# Altium PCB MPPT_Charger.PcbDoc (part 1 of 2) (continued)
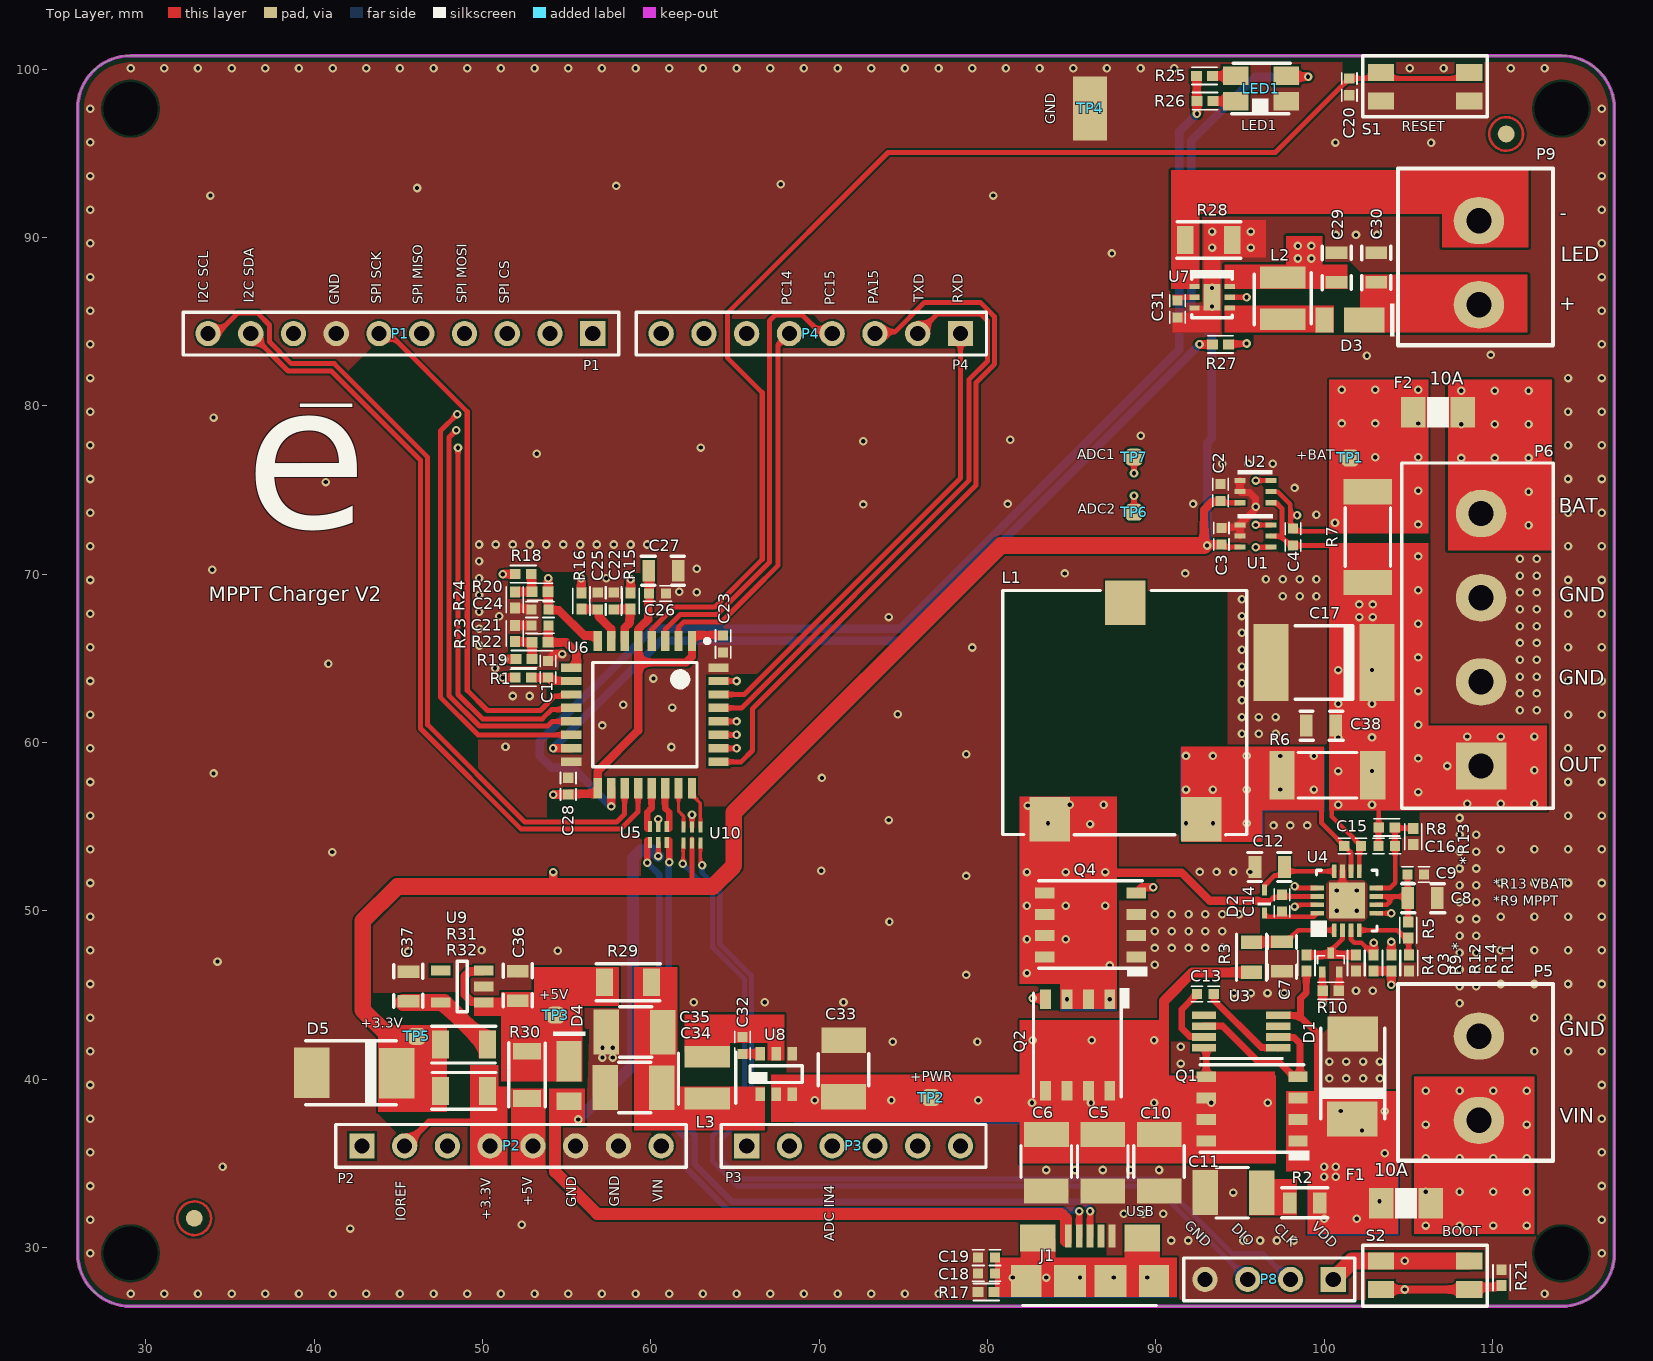
[diagram p0: Top Layer view]
## Classes and differential pairs
component class Power: C32 C33 C34 C35 C36 C37 D4 D5 L3 R29 R30 R31 R32 TP2 TP3 TP4 TP5 U8 U9
component class "LED Driver": C29 C30 C31 D3 L2 P9 R27 R28 U7
component class Controller: C18 C19 C20 C21 C22 C23 C24 C25 C26 C27 C28 J1 LED1 P8 R15 R16 R17 R18 R19 R20 R21 R22 R23 R24 R25 R26 S1 S2 U5 U6 U10
component class Charger: 2 C2 C3 C4 C5 C6 C7 C8 C9 C10 C11 C12 C13 C14 C15 C16 C17 C38 D1 D2 F1 F2 L1 P5 P6 Q1 Q2 Q3 Q4 R2 R3 R4 R5 R6 R7 R8 R9 R10 R11 R12 R13 R14 TP1 TP6 TP7 U1 U2 U3 U4
component class Arduino: C1 P1 P2 P3 P4 R1
differential pair USB_T: +USB_T_P -USB_T_N

## Components (designator, comment, footprint, x,y, rotation, side; value= is the part's Value field where it differs from the comment)
C1 "Capacitor ceramic" C0402 53.9,64.35 r90 top value=100nF
C2 "Capacitor ceramic" C0402 93.85,74.85 r90 top value=100nF
C3 "Capacitor ceramic" C0402 93.9,72.25 r90 top value=100nF
C4 "Capacitor ceramic" C0402 98.15,72.2 r270 top value=100nF
C5 "Capacitor ceramic" C1210 86.85,35.05 r90 top value=22uF
C6 "Capacitor ceramic" C1210 83.5,35.05 r90 top value=22uF
C7 "Capacitor ceramic" C0805 97.5,47.275 r90 top value=4.7uF
C8 "Capacitor ceramic" C0805 105.85,50.75 r180 top value=4.7uF
C9 "Capacitor ceramic" C0402 105.45,52.15 r180 top value=100nF
C10 "Capacitor ceramic" C1210 90.2,35.05 r90 top value=22uF
C11 "Capacitor ceramic" C1210 94.6,33.25 r180 top value=22uF
C12 "Capacitor ceramic" C0805 96.775,52.6 r0 top value=4.7uF
C13 "Capacitor ceramic" C0402 92.95,45.05 r0 top value=100nF
C14 "Capacitor ceramic" C0402 97.5,50.45 r90 top value=100nF
C15 "Capacitor ceramic" C0402 101.7,53.85 r180 top value=100nF
C16 "Capacitor ceramic" C0402 103.725,53.85 r0 top value=22pF
C17 "Capacitor Tantalum" EIA-7343-31 100,64.75 r180 top value=47uF
C18 "Capacitor ceramic" C0402 79.95,28.45 r0 top value=4.7nF
C19 "Capacitor ceramic" C0402 79.95,29.4 r0 top value=33pF
C20 "Capacitor ceramic" C0402 101.5,98.95 r270 top value=100nF
C21 "Capacitor ceramic" C0402 53.425,66.95 r180 top value=100nF
C22 "Capacitor ceramic" C0402 57.8,68.4 r90 top value=100nF
C23 "Capacitor ceramic" C0402 64.3,65.85 r90 top value=100nF
C24 "Capacitor ceramic" C0402 53.425,67.9 r180 top value=100nF
C25 "Capacitor ceramic" C0402 56.85,68.4 r90 top value=100nF
C26 "Capacitor ceramic" C0402 60.4,68.85 r180 top value=100nF
C27 "Capacitor ceramic" C0805 60.75,70.2 r0 top value=4.7uF
C28 "Capacitor ceramic" C0402 55.1,57.4 r90 top value=100nF
C29 "Capacitor ceramic" C0805 100.75,88.225 r90 top value=4.7uF
C30 "Capacitor ceramic" C0805 103.1,88.225 r90 top value=4.7uF
C31 "Capacitor ceramic" C0402 91.3,85.75 r270 top value=220nF
C32 "Capacitor ceramic" C0402 65.45,42 r270 top value=100nF
C33 "Capacitor ceramic" C1210 71.46,40.61 r270 top value=22uF
C34 "Capacitor ceramic" C1210 59,39.5 r0 top value=22uF
C35 "Capacitor ceramic" C1210 59.05,42.8 r0 top value=22uF
C36 "Capacitor ceramic" C0805 52.1,45.525 r270 top value=4.7uF
C37 "Capacitor ceramic" C0805 45.6,45.5 r270 top value=4.7uF
C38 "Capacitor ceramic" C0805 99.825,61 r180 top value=4.7uF
D1 "SM6T30CA" DO-214AA 101.7,40.2 r90 top value=SM6T30CAY
D2 "BAT54KFILM" SOD-523 96.45,50.55 r270 top
D3 "DFLS2100-7" PowerDI123 101.731,85.066 r0 top
D4 "DFLS2100-7" PowerDI123 55.184,40.381 r90 top
D5 "SMLVT3V3" DO-214AA 42.327,40.372 r180 top
F1 "10A, 24V" F1206 104.86,32.63 r180 top value=1206SFH100F/24-2
F2 "10A, 24V" F1206 106.78,79.61 r0 top value=1206SFH100F/24-2
J1 "CON-000116-01" 10118192-0001LF 86.1,28 r0 top value=10118192-0001LF
L1 "Power Inductor" CDEP147 83.694,55.448 r270 top value=6.1uH
L2 "Power Inductor" LQH3NP 97.55,86.35 r270 top value=10uH
L3 "Power Inductor" LQH3NP 63.35,40.05 r270 top value=4.7uH
LED1 "LED_BICOLOR" PLCC-4 96.25,98.85 r90 top value="LSG T67K-JL-1+HK-1"
P1 "DIGITAL 1" HDR1X10 56.556,84.29 r180 top locked value=PRT-11417
P2 "POWER" HDR1X8 42.84,36.03 r0 top locked value=RS1-08-G
P3 "ANALOG IN" HDR1X6 65.7,36.03 r0 top locked value=RS1-06-G
P4 "DIGITAL 2" HDR1X8 78.4,84.29 r180 top locked value=RS1-08-G
P5 "PANEL" TERM2PIN5MM 109.2,37.55 r90 top value=MSG02001
P6 "Battery&Load" TERM4PIN5MM 109.327,58.6 r90 top value=MSG04001
P8 "SWD" HDR1X4 100.55,28.1 r180 top value=SLW-104-01-G-S
P9 "LED" TERM2PIN5MM 109.2,86 r90 top value=MSG02001
Q1 "STL150N3LLH5" "PowerFLAT 5x6" 98.45,36.33 r90 top
Q2 "STL150N3LLH5" "PowerFLAT 5x6" 87.27,44.75 r180 top
Q3 "DMG1012T" SOT-523_custom 100.4,46.925 r0 top value=DMG1012T-7
Q4 "STL150N3LLH5" "PowerFLAT 5x6" 88.85,47.25 r90 top
R1 "Resistor" R0402 52.425,63.85 r0 top value=1K
R2 "Resistor" R0805 98.85,32.65 r0 top value=2R
R3 "Resistor" R0805 95.69,47.24 r90 top value=10R
R4 "Resistor" R0402 98.95,46.9 r270 top value=150K
R5 "Resistor" R0402 105,48.85 r90 top value=100K
R6 "Resistor" R2010 100.2,58.05 r0 top value=R008
R7 "Resistor" R2010 102.6,72.2 r270 top value=R008
R8 "Resistor" R0402 103.725,54.95 r180 top value=560K
R9 "Resistor" R0402 101.9,46.9 r90 top value=11K
R10 "Resistor" R0402 100.4,45.25 r180 top value=10K
R11 "Resistor" R0402 105.05,46.9 r90 top value=100K
R12 "Resistor" R0402 102.95,46.9 r90 top value=100K
R13 "Resistor" R0402 105.3,54.4 r90 top value=110K
R14 "Resistor" R0402 104,46.9 r90 top value=100K
R15 "Resistor" R0402 58.8,68.4 r270 top value=1K
R16 "Resistor" R0402 55.875,68.4 r270 top value=1K
R17 "Resistor" R0402 79.925,27.35 r0 top value=1M
R18 "Resistor" R0402 52.425,70 r180 top value=100K
R19 "Resistor" R0402 52.475,64.95 r0 top value=100K
R20 "Resistor" R0402 53.425,68.95 r0 top value=1K
R21 "Resistor" R0402 110.55,28.2 r270 top value=1K
R22 "Resistor" R0402 53.425,65.95 r0 top value=1K
R23 "Resistor" R0402 51.925,66.475 r90 top value=24.9K
R24 "Resistor" R0402 51.925,68.475 r90 top value=12K
R25 "Resistor" R0402 92.9,99.6 r0 top value=100R
R26 "Resistor" R0402 92.925,98.1 r0 top value=100R
R27 "Resistor" R0402 93.85,83.65 r0 top value=6.8K
R28 "Resistor" R1206 93.15,89.85 r180 top value=R62
R29 "Resistor" R1206 58.65,45.75 r0 top value=0R
R30 "Resistor" R1206 52.65,40.25 r90 top value=0R
R31 "Resistor" R1206 48.9,42.05 r0 top value=0R
R32 "Resistor" R1206 48.9,39.3 r180 top value=0R
S1 "RESET" EVQPUA 106,98.95 r180 top value=EVQPUJ02K
S2 "BOOT" EVQPUA 106,28.35 r0 top value=EVQPUJ02K
TP1 "Test_Point" TEST_POINT 101.55,76.9 r0 top
TP2 "Test_Point" TEST_POINT 76.65,38.9 r180 top
TP3 "Test_Point" TEST_POINT 54.35,43.8 r90 top
TP4 "Test Point" 5019_keystone 86.1,97.67 r90 top value=5019
TP5 "Test_Point" TEST_POINT 46.1,42.54 r90 top
TP6 "Test_Point" TEST_POINT 88.71,73.68 r90 top
TP7 "Test_Point" TEST_POINT 88.71,76.95 r90 top
U1 "NCS213RSQT2G" SOT-363 96.85,72.92 r270 top
U2 "NCS213RSQT2G" SOT-363 96.84,75.56 r270 top
U3 "LM74610QDGKRQ1" TSSOP-8 92.87,41.85 r90 top
U4 "BQ24650" QFN-16_custom 101.35,50.6 r90 top value=BQ24650RVAT
U5 "USBULC6-2M6" Micro_QFN_6L 60.45,54.525 r270 top
U6 "STM32L072KZT6" LQFP32 59.65,61.65 r270 top locked
U7 "TPS61165" QFN-6_custom 93.35,86.45 r0 top value=TPS61165DRVT
U8 "AP63205WU-7" SOT23-6_custom 67.45,40.3 r90 top locked
U9 "STLQ015M33R" SOT23-5L 48.8,45.5 r180 top
U10 "USBULC6-2M6" Micro_QFN_6L 62.45,54.5 r270 top

## Footprints (in the part's own frame and the unit in brackets; to place one, negate y for a bottom-side part, rotate by r counter-clockwise, add the part's x,y. Pads: shape width x height; smd on the part's side, far side on the other; paste and mask are expansions set on the pad)
5019_keystone [mm] "Keystone Test Point 5019"
  rect 3.8x2.03 smd: 1(0,0)
  body extent -1.9,-1.01 1.91,1.02, height 2.29
10118192-0001LF [mm]
  rect 0.4x1.35 smd mask+0.05: 1(-1.3,2.675) 2(-0.65,2.675) 3(0,2.675) 4(0.65,2.675) 5(1.3,2.675)
  rect 1.8x1.9 smd mask+0.05: 6(-3.8,0) 9(3.8,0)
  rect 1.9x1.9 smd mask+0.05: 7(-1.2,0) 8(1.2,0)
  rect 2.1x1.6 smd mask+0.05: 10(3.1,2.55) 11(-3.1,2.55)
  silkscreen extent -3.99,-1.45 3.93,-1.45, body extent -3.99,-2.73 3.93,2.93, height 2.79
C0402 [mm] "Chip Capacitor, 2-Leads, Body 1,0x0,5mm, IPC High Density"
  rect 0.6x0.6 smd: 1(-0.5,0) 2(0.5,0)
  silkscreen extent -0.84,-0.46 0.84,0.46, body extent -0.5,-0.3 0.5,0.3, height 0.2
C0805 [mm] "Chip Capacitor, 2-Leads, Body 2,0x1,3mm, IPC High Density"
  rect 0.75x1.3 smd: 1(-0.875,0) 2(0.875,0)
  silkscreen extent -1.32,-0.86 1.24,0.86, body extent -1.03,-0.69 0.97,0.56, height 0.78
C1210 [mm] "Chip Capacitor, 2-Leads, Body 3.0x2.6mm, IPC Medium Density"
  rect 1.5x2.65 smd: 1(-1.7,0) 2(1.66,-0.01)
  silkscreen extent -0.9,-1.5 1,1.5, body extent -1.6,-1.25 1.6,1.25, height 2.5
CDEP147 [mm]
  rect 2.65x2.4 smd: 1(0,0) 2(0,9) 3(-12.852,4.506)
  silkscreen extent -13.58,-2.79 0.92,11.72, body extent -13.58,-2.78 0.92,11.72, height 8
DO-214AA [mm]
  rect 2.1x3 smd: 1(-2.573,0.022) 2(2.475,0)
  silkscreen extent -2.57,-1.95 2.83,1.9, body extent -2.66,-1.79 2.74,1.81, height 2.3
EIA-7343-31 [mm] "Chip Capacitor, Case D, 2-Leads, Body 7,3x4,3mm, IPC Medium Density"
  rect 2.1x4.55 smd: 1(-3.15,0) 2(3.15,0)
  silkscreen extent -1.7,-2.17 1.7,2.18, body extent -3.65,-2.16 3.65,2.14, height 2.3
EVQPUA [mm] "Light Touch Switches/EVQPU"
  rect 1.55x1 smd: 1(2.625,0.85) 2(2.625,-0.85) 3(-2.625,0.85) 4(-2.625,-0.85)
  silkscreen extent -3.7,-1.86 3.7,1.78, body extent -3.2,-2.76 3.2,1.78, height 1.65
F1206 [mm] "Fuse in 1206 package"
  rect 1.45x1.8 smd: 1(-1.488,0.005) 2(1.462,0.005)
  silkscreen extent -0.67,-0.9 0.65,0.91, body extent -1.73,-0.9 1.67,0.9, height 1.17
HDR1X4 [mm] "Connector; Header; 4 Position"
  rect 1.5x1.5 hole 0.9: 1(0,0)
  round 1.5 hole 0.9: 2(2.54,0) 3(5.08,0) 4(7.62,0)
  silkscreen extent -1.27,-1.27 8.89,1.27, body extent -1.3,-1.3 8.86,1.24, height 4.62
HDR1X6 [mm] "Connector; Header; 6 Position"
  rect 1.5x1.5 hole 0.9: 1(0,0)
  round 1.5 hole 0.9: 2(2.54,0) 3(5.08,0) 4(7.62,0) 5(10.16,0) 6(12.7,0)
  silkscreen extent -1.51,-1.27 14.22,1.27, body extent -1.51,-1.27 14.23,1.27, height 8.6
HDR1X8 [mm] "Connector; Header; 8 Position"
  rect 1.5x1.5 hole 0.9: 1(0,0)
  round 1.5 hole 0.9: 2(2.54,0) 3(5.08,0) 4(7.62,0) 5(10.16,0) 6(12.7,0) 7(15.24,0) 8(17.78,0)
  silkscreen extent -1.55,-1.27 19.27,1.27, body extent -1.55,-1.26 19.27,1.28, height 8.6
HDR1X10 [mm] "Connector; Header; 10 Position"
  rect 1.5x1.5 hole 0.9: 1(0,0)
  round 1.5 hole 0.9: 2(2.54,0) 3(5.08,0) 4(7.62,0) 5(10.16,0) 6(12.7,0) 7(15.24,0) 8(17.78,0) 9(20.32,0) 10(22.86,0)
  silkscreen extent -1.55,-1.27 24.33,1.27, body extent -1.57,-1.29 24.33,1.25, height 8.6
LQFP32 [mm] "LQFP32, 32-Leads, Body 7,00x7,00mm, Pitch 0,80mm, IPC Medium Density"
  rect 1.2x0.5 smd: 1(-4.375,2.8) 2(-4.375,2) 3(-4.375,1.2) 4(-4.375,0.4) 5(-4.375,-0.4) 6(-4.375,-1.2) 7(-4.375,-2) 8(-4.375,-2.8) 17(4.375,-2.8) 18(4.375,-2) 19(4.375,-1.2) 20(4.375,-0.4) 21(4.375,0.4) 22(4.375,1.2) 23(4.375,2) 24(4.375,2.8)
  rect 0.5x1.2 smd: 9(-2.8,-4.375) 10(-2,-4.375) 11(-1.2,-4.375) 12(-0.4,-4.375) 13(0.4,-4.375) 14(1.2,-4.375) 15(2,-4.375) 16(2.8,-4.375) 25(2.8,4.375) 26(2,4.375) 27(1.2,4.375) 28(0.4,4.375) 29(-0.4,4.375) 30(-1.2,4.375) 31(-2,4.375) 32(-2.8,4.375)
  silkscreen extent -4.5,-3.1 3.1,3.83, body extent -4.5,-4.5 4.5,4.5, height 1.63
LQH3NP [mm] "Size Code 3030 (1212) in mm (in inch), 1.5mm max.Thickness. high performance type"
  rect 1.3x2.7 smd: 1(-1.28,0) 2(1.21,0)
  silkscreen extent -1.55,-1.7 1.55,1.7, body extent -1.54,-1.51 1.48,1.49, height 1.4
Micro_QFN_6L [mm] "1.45x1.00"
  rect 0.65x0.25 smd: 1(-0.475,0.5) 2(-0.475,0) 3(-0.475,-0.5) 4(0.475,-0.5) 5(0.475,0) 6(0.475,0.5)
  body extent -0.5,-0.73 0.5,0.72, height 0.55
PLCC-4 [mm]
  rect 1.1x1.5 smd mask+0.05: 1(-0.75,-1.5) 2(-0.75,1.5) 3(0.75,1.5) 4(0.75,-1.5)
  silkscreen extent -1.59,-1.75 1.5,1.75, body extent -1.4,-1.75 1.4,1.75, height 1.95
PowerDI123 [mm]
  rect 1.05x1.5 smd: 1(-1.706,0.034)
  rect 2.4x1.5 smd: 2(0.669,0.034)
  silkscreen extent 2.18,-0.95 2.44,1, body extent -2.14,-0.94 1.73,0.99, height 1
"PowerFLAT 5x6" [mm]
  rect 0.65x1.15 smd: 1(0,0) 2(1.27,0) 3(2.54,0) 4(3.81,0) 5(3.81,5.45) 6(2.54,5.45) 7(1.27,5.45) 8(0,5.45)
  Top Layer region: -0.325,1.375 4.135,1.375 4.135,5.475 -0.325,5.475
  silkscreen extent -1.17,-0.67 4.53,5.8, body extent -0.67,-0.35 4.53,5.8, height 0.95
QFN-6_custom [mm] "QFN, 6-Leads, Body 2,1x2,1mm (max), Pitch 0,65mm, IPC Low Density"
  rect 0.6x0.3 smd: 1(-1.05,0.65) 2(-1.05,0) 3(-1.05,-0.65) 4(1.05,-0.65) 5(1.05,0) 6(1.05,0.65)
  rect 1x1.6 smd: 7(0,0)
  silkscreen extent -1.3,-1.21 1.3,1.63, body extent -1.01,-1 1.01,1, height 0.8
QFN-16_custom [mm] "Plastic Quad Flatpack 16 pins, 0.5 mm pitch"
  rect 0.8x0.28 smd: 1(-1.75,0.75) 2(-1.75,0.25) 3(-1.75,-0.25) 4(-1.75,-0.75) 9(1.75,-0.75) 10(1.75,-0.25) 11(1.75,0.25) 12(1.75,0.75)
  rect 0.28x0.8 smd: 5(-0.75,-1.75) 6(-0.25,-1.75) 7(0.25,-1.75) 8(0.75,-1.75) 13(0.75,1.75) 14(0.25,1.75) 15(-0.25,1.75) 16(-0.75,1.75)
  rect 2.14x2.14 smd: 17(0,0)
  silkscreen extent -2.16,-1.8 1.8,2.15, body extent -1.8,-1.8 1.8,1.8, height 1
R0402 [mm] "Chip resistor 0402"
  rect 0.65x0.6 smd: 1(-0.475,0) 2(0.475,0)
  silkscreen extent -0.76,-0.51 0.76,0.51, body extent -0.5,-0.3 0.5,0.3, height 0.2
R0805 [mm] "Chip Resistor, 2-Leads, Body 2,0x1,3mm, IPC High Density"
  rect 0.8x1.25 smd: 1(-0.9,0) 2(0.9,0)
  silkscreen extent -1.37,-0.89 1.37,0.89, body extent -1.03,-0.62 0.97,0.64, height 0.78
R1206 [mm] "Chip Resistor, 2-Leads, Body 3,2x1,6mm, IPC High Density"
  rect 1x1.65 smd: 1(-1.4,0) 2(1.4,0)
  silkscreen extent -1.9,-1.09 1.91,1.09, body extent -1.63,-0.81 1.57,0.79, height 1
R2010 [mm] "Chip Capacitor, 2-Leads, Body 5.3x2.6mm, IPC Medium Density"
  rect 1.5x2.9 smd: 1(-2.7,0) 2(2.7,0)
  silkscreen extent -1.75,-1.35 1.75,1.35, body extent -2.5,-1.23 2.5,1.27, height 0.47
SOD-523 [mm]
  rect 0.65x0.3 smd: 1(-0.675,0) 2(0.675,0)
  silkscreen extent 0.05,-0.4 0.25,0.4, body extent -0.8,-0.4 0.8,0.4, height 0.7
SOT23-5L [mm] "SOT23, 5-Leads, Body 2,90x2,80mm, Pitch 0,95mm, IPC Medium Density"
  rect 1.15x0.6 smd: 1(-1.275,0.95) 2(-1.275,0) 3(-1.275,-0.95) 4(1.275,-0.95) 5(1.275,0.95)
  silkscreen extent -0.3,-1.5 0.3,1.5, body extent -1.4,-1.45 1.4,1.45, height 1.45
SOT23-6_custom [mm]
  rect 0.8x0.55 smd: 1(-1.2,0.95) 2(-1.2,0) 3(-1.2,-0.95) 4(1.2,-0.95) 5(1.2,0) 6(1.2,0.95)
  silkscreen extent -0.5,-1.55 0.5,1.55, body extent -1.22,-1.48 1.12,1.44, height 1
SOT-363 [mm]
  rect 0.3x0.66 smd: 1(0,-1.84) 2(0.66,-1.84) 3(1.32,-1.84) 4(1.32,0) 5(0.66,0) 6(0,0)
  silkscreen extent -0.64,-1.99 -0.37,0.11, body extent -0.34,-1.99 1.66,0.11, height 0.93
SOT-523_custom [mm]
  rect 0.4x0.65 smd: 1(-0.5,-0.575) 2(0,0.575) 3(0.5,-0.575)
  silkscreen extent -0.79,-0.06 0.81,0.41, body extent -0.79,-0.81 0.81,0.79, height 0.8
TERM2PIN5MM [mm] "Terminal block 2 pins, 5 mm pitch"
  oval 2.8x3 hole 1.5: 1(0,0) 2(5,0)
  silkscreen extent -2.4,-4.4 8.1,4.8, body extent -2.45,-4.3 8.05,4.7, height 13.4
TERM4PIN5MM [mm] "Terminal 4 pins, 5 mm pitch"
  rect 2.8x3 hole 1.5: 1(0,0)
  oval 2.8x3 hole 1.5: 2(5,0) 3(10,0) 4(15,0)
  silkscreen extent -2.5,-4.3 18,4.7, body extent -2.5,-4.3 18,4.7, height 13.4
TEST_POINT [mm] "Rounded Corners Test Point"
  rrect50% 1x1 smd: 0(0,0)
TSSOP-8 [mm] "Plasti Small-Outline Package"
  rect 0.45x1.45 smd: 1(0,-4.4) 2(0.65,-4.4) 3(1.3,-4.4) 4(1.95,-4.4) 5(1.95,0) 6(1.3,0) 7(0.65,0) 8(0,0)
  silkscreen extent -0.73,-4.72 -0.53,0.28, body extent -0.58,-4.72 2.52,0.28, height 1.1

## Part data
C1 C2 C3 C4 C9 C13 C14 C15 C21 C22 C23 C24 C25 C26 C28: library part Cap, Manufacturer="TDK Corporation", Manufacturer Part No.=CGA2B3X7R1V104K050BB, Supplier part number=445-6901-1-ND, Link=https://www.digikey.com/product-detail/en/tdk-corporation/CGA2B3X7R1V104K050BB/445-6901-1-ND/2672919, Part Description="Ceramic Capacitor", Specification="X7R, 35V, 10%", Supplier=DigiKey
C5 C6 C10 C11: library part Cap, Manufacturer="Taiyo Yuden", Manufacturer Part No.=GMK325BJ226MM-P, Supplier part number=587-5853-1-ND, Link=https://www.digikey.com/product-detail/en/taiyo-yuden/GMK325BJ226MM-P/587-5853-1-ND/7674973, Part Description="Ceramic Capacitor", Specification="X5R, 35V, 20%", Supplier=DigiKey
C7 C8 C12 C29 C30 C38: library part Cap, Manufacturer="Murata Electronics", Manufacturer Part No.=GRM219R6YA475KA73D, Supplier part number=490-7208-1-ND, Link=https://www.digikey.com/product-detail/en/murata-electronics/GRM219R6YA475KA73D/490-7208-1-ND/3900454, Part Description="Ceramic Capacitor", Specification="X5R, 35V, 10%", Supplier=DigiKey
C16: library part Cap, Manufacturer=Yageo, Manufacturer Part No.=CC0402JRNPO9BN220, Supplier part number=311-1018-1-ND, Link=https://www.digikey.com/product-detail/en/yageo/CC0402JRNPO9BN220/311-1018-1-ND/302935, Part Description="Ceramic Capacitor", Specification="NPO, 50V, 5%", Supplier=DigiKey
C17: library part "Cap Pol2", Manufacturer="AVX Corporation", Manufacturer Part No.=TAJD476K016RNJ, Supplier part number=478-1739-1-ND, Link=https://www.digikey.com/product-detail/en/avx-corporation/TAJD476K016RNJ/478-1739-1-ND/564771, Part Description="Capacitor Tantalum", Specification="TANT, 16V, 10%", Supplier=DigiKey
C18: library part "Cap Semi", Manufacturer=Yageo, Manufacturer Part No.=AC0402KRX7R9BB472, Supplier part number=311-3030-1-ND, Link=https://www.digikey.com/product-detail/en/yageo/AC0402KRX7R9BB472/311-3030-1-ND/6643281, Part Description="Ceramic Capacitor", Specification="X7R, 50V, 10%", Supplier=DigiKey
C19: library part "Cap Semi", Manufacturer=Yageo, Manufacturer Part No.=CC0402JRNPO9BN330, Supplier part number=311-1020-1-ND, Link=https://www.digikey.com/product-detail/en/yageo/CC0402JRNPO9BN330/311-1020-1-ND/302937, Part Description="Ceramic Capacitor", Specification="NP0, 50V, 5%", Supplier=DigiKey
C20 C32: library part "Cap Semi", Manufacturer="TDK Corporation", Manufacturer Part No.=CGA2B3X7R1V104K050BB, Supplier part number=445-6901-1-ND, Link=https://www.digikey.com/product-detail/en/tdk-corporation/CGA2B3X7R1V104K050BB/445-6901-1-ND/2672919, Part Description="Ceramic Capacitor", Specification="X7R, 35V, 10%", Supplier=DigiKey
C27 C36 C37: library part "Cap Semi", Manufacturer="Murata Electronics", Manufacturer Part No.=GRM219R6YA475KA73D, Supplier part number=490-7208-1-ND, Link=https://www.digikey.com/product-detail/en/murata-electronics/GRM219R6YA475KA73D/490-7208-1-ND/3900454, Part Description="Ceramic Capacitor", Specification="X5R, 35V, 10%", Supplier=DigiKey
C31: library part Cap, Manufacturer=Yageo, Manufacturer Part No.=CC0402KRX5R8BB224, Supplier part number=311-3341-1-ND, Link=https://www.digikey.com/product-detail/en/yageo/CC0402KRX5R8BB224/311-3341-1-ND/6818311, Part Description="Ceramic Capacitor", Specification="X5R, 25V, 10%", Supplier=DigiKey
C33 C34 C35: library part "Cap Semi", Manufacturer="Taiyo Yuden", Manufacturer Part No.=GMK325BJ226MM-P, Supplier part number=587-5853-1-ND, Link=https://www.digikey.com/product-detail/en/taiyo-yuden/GMK325BJ226MM-P/587-5853-1-ND/7674973, Part Description="Ceramic Capacitor", Specification="X5R, 35V, 20%", Supplier=DigiKey
D1: library part ESD_Diode, "ESD Diode Symbol", Manufacturer=STMicroelectronics, Manufacturer Part No.=SM6T30CAY, Supplier part number=497-10800-1-ND, Link=https://www.digikey.com/product-detail/en/stmicroelectronics/SM6T30CAY/497-10800-1-ND/2442951, Part Description="TVS DIODE", Specification="30V, 0.6kW", Supplier=DigiKey
D2: library part "D Schottky", "Schottky Diode", Manufacturer=STMicroelectronics, Supplier part number=497-5561-1-ND, Link=https://www.digikey.com/product-detail/en/stmicroelectronics/BAT54KFILM/497-5561-1-ND/1207053, Manufacturer Part No.=BAT54KFILM, Part Description="Small signal Schottky diode", Specification="40V, 0.3A", Supplier=DigiKey
D3 D4: library part "D Schottky", "Schottky Diode", Manufacturer="Diodes Incorporated", Supplier part number=DFLS2100-7DICT-ND, Link=https://www.digikey.com/product-detail/en/diodes-incorporated/DFLS2100-7/DFLS2100-7DICT-ND/3451552, Manufacturer Part No.=DFLS2100-7, Part Description="DIODE SCHOTTKY", Specification="100V, 2A", Supplier=DigiKey
D5: library part ESD_Diode, "ESD Diode Symbol", Manufacturer=STMicroelectronics, Supplier part number=497-2496-1-ND, Link=https://www.digikey.com/product-detail/en/stmicroelectronics/SMLVT3V3/497-2496-1-ND/603878, Manufacturer Part No.=SMLVT3V3, Part Description="Low voltage Transil™", Specification="3.3V, 0.6kW", Supplier=DigiKey
F1 F2: library part "Fuse 2", "SMD Fuse", Manufacturer=LITTELFUSE, Manufacturer Part No.=1206SFH100F/24-2, Supplier part number=1832124, Link=https://uk.farnell.com/littelfuse/1206sfh100f-24-2/fuse-1206-10a/dp/1832124, Part Description="Fast Acting  Fuse", Specification=100A, Supplier=Farnell
J1: Manufacturer="Amphenol ICC (FCI)", Manufacturer Part No.=10118192-0001LF, Supplier part number=609-4613-1-ND, Link=https://www.digikey.com/product-detail/en/amphenol-icc-fci/10118192-0001LF/609-4613-1-ND/2785378, Part Description="Micro USB Connector", Specification="Type B", Supplier=DigiKey
L1: library part Inductor, "Inductor", Manufacturer="Sumida America Components Inc.", Manufacturer Part No.=CDEP147NP-6R1MC-95, Supplier part number=308-1608-1-ND, Link=https://www.digikey.com/product-detail/en/sumida-america-components-inc/CDEP147NP-6R1MC-95/308-1608-1-ND/3232383, Part Description="Power Inductor", Specification="11A, 20%", Supplier=DigiKey
L2: library part Inductor, "Inductor", Manufacturer="Murata Electronics", Manufacturer Part No.=LQH3NPN100MMEL, Supplier part number=490-15945-1-ND, Link=https://www.digikey.com/product-detail/en/murata-electronics/LQH3NPN100MMEL/490-15945-1-ND/6800610, Part Description="Power Inductor", Specification="0.8A, 20%", Supplier=DigiKey
L3: library part Inductor, "Inductor", Manufacturer="Murata Electronics", Manufacturer Part No.=LQH3NPN4R7MMEL, Supplier part number=490-15954-1-ND, Link=https://www.digikey.com/product-detail/en/murata-electronics/LQH3NPN4R7MMEL/490-15954-1-ND/6800619, Part Description="Power Inductor", Specification="1A, 20%", Supplier=DigiKey
LED1: Manufacturer="OSRAM Opto Semiconductors Inc.", Manufacturer Part No.="LSG T67K-JL-1+HK-1", Supplier part number=475-3435-1-ND, Link=https://www.digikey.com/product-detail/en/osram-opto-semiconductors-inc/LSG-T67K-JL-1-HK-1/475-3435-1-ND/7908051, Part Description="BICOLOR LED RED/GREEN CLEAR", Specification=SMT, Supplier=DigiKey
P1: library part "Header 10", Manufacturer="SparkFun Electronics", Manufacturer Part No.=PRT-11417, Supplier part number=1568-1413-ND, Link=https://www.digikey.com/product-detail/en/sparkfun-electronics/PRT-11417/1568-1413-ND/6161755, Part Description="ARDUINO STACKABLE HEADER KIT - R", Specification="10 pos. 2,54mm", Supplier=DigiKey
P2 P4: library part "Header 8", Manufacturer="ADAM TECH", Manufacturer Part No.=RS1-08-G, Supplier part number=CONN2043, Link=http://www.adam-tech.com/products.php, Part Description="Arduino Connector", Specification="8 pos. 2,54mm", Supplier=Rutronik
P3: library part "Header 6", Manufacturer="ADAM TECH", Manufacturer Part No.=RS1-06-G, Supplier part number=CONN2042, Link=http://www.adam-tech.com/products.php, Part Description="Arduino Connector", Specification="6 pos. 2,54mm", Supplier=Rutronik
P5 P9: library part "Header 2", "Header, 2-Pin", Manufacturer=SAURO, Manufacturer Part No.=MSG02001, Supplier part number=COTERM5720, Link=https://www.sauro.net/products/MSG02001/?product_id=MSG02001, Part Description="Terminal block", Specification="2pos. 5mm,  24A, 300V", Supplier=Rutronik
P6: library part "Header 4", "Header, 4-Pin", Manufacturer=SAURO, Manufacturer Part No.=MSG04001, Supplier part number=COTERM6351, Link=https://www.sauro.net/products/MSG04001/?product_id=MSG04001, Part Description="Terminal block", Specification="4 pos. 5mm,  24A, 300V", Supplier=Rutronik
P8: library part "Header 4", "Header, 4-Pin", Manufacturer="Samtec Inc.", Manufacturer Part No.=SLW-104-01-G-S, Supplier part number=SAM1089-04-ND, Link=https://www.digikey.com/products/en?keywords=SLW-104-01-G-S, Part Description="Receptacle Connector Through Hole", Specification="4 pos. 2.54mm", Supplier=DigiKey
Q1 Q2 Q4: "Power MOSFET N-channel", Manufacturer=STMicroelectronics, Supplier part number=1752112RL, Link=https://uk.farnell.com/stmicroelectronics/stl150n3llh5/mosfet-n-ch-30v-35a-powerflat6x5/dp/1752112RL, Manufacturer Part No.=STL150N3LLH5, Part Description="P-channel Power MOSFET", Specification="30V, 35A", Supplier=Farnell
Q3: library part NMOS-2, "N-Channel Power MOSFET", Manufacturer="Diodes Incorporated", Manufacturer Part No.=DMG1012T-7, Supplier part number=DMG1012T-7DICT-ND, Link=https://www.digikey.com/product-detail/en/diodes-incorporated/DMG1012T-7/DMG1012T-7DICT-ND/2181232, Part Description="N-Channel MOSFET", Specification="20V, 0.63A", Supplier=DigiKey
R1 R15 R16 R20 R21 R22: library part Res2, Manufacturer=Yageo, Manufacturer Part No.=AC0402JR-071KL, Supplier part number=YAG3525CT-ND, Link=https://www.digikey.com/product-detail/en/yageo/AC0402JR-071KL/YAG3525CT-ND/6006374, Part Description="Thick Film Resistor", Specification="5% 0,063W", Supplier=DigiKey
R2: library part Res2, Manufacturer=Yageo, Manufacturer Part No.=RC0805JR-072RL, Supplier part number=311-2.0ARCT-ND, Link=https://www.digikey.com/product-detail/en/yageo/RC0805JR-072RL/311-2-0ARCT-ND/731214, Part Description="Thick Film Resistor", Specification="5% 0.125W", Supplier=DigiKey
R3: library part Res2, Manufacturer=Yageo, Manufacturer Part No.=RC0805JR-07510RL, Supplier part number=311-510ARCT-ND, Link=https://www.digikey.com/product-detail/en/yageo/RC0805JR-07510RL/311-510ARCT-ND/731290, Part Description="Thick Film Resistor", Specification="5% 0.125W", Supplier=DigiKey
R4: library part Res2, Manufacturer=Yageo, Manufacturer Part No.=RC0402JR-07150KL, Supplier part number=311-150KJRCT-ND, Link=https://www.digikey.com/product-detail/en/yageo/RC0402JR-07150KL/311-150KJRCT-ND/729372, Part Description="Thick Film Resistor", Specification="5% 0,063W", Supplier=DigiKey
R5 R11 R12 R14 R18 R19: library part Res2, Manufacturer=Yageo, Manufacturer Part No.=RC0402JR-07100KL, Supplier part number=311-100KJRCT-ND, Link=https://www.digikey.com/product-detail/en/yageo/RC0402JR-07100KL/311-100KJRCT-ND/729363, Part Description="Thick Film Resistor", Specification="5% 0,063W", Supplier=DigiKey
R6 R7: library part Res2, Manufacturer="Rohm Semiconductor", Manufacturer Part No.=PMR50HZPFU8L00, Supplier part number=RHM.008ASCT-ND, Link=https://www.digikey.com/product-detail/en/rohm-semiconductor/PMR50HZPFU8L00/RHM-008ASCT-ND/2094542, Part Description="Thick Film Resistor", Specification="1% 1W", Supplier=DigiKey
R8: library part Res2, Manufacturer=Yageo, Manufacturer Part No.=RC0402JR-07560KL, Supplier part number=311-560KJRCT-ND, Link=https://www.digikey.com/product-detail/en/yageo/RC0402JR-07560KL/311-560KJRCT-ND/729440, Part Description="Thick Film Resistor", Specification="5% 0,063W", Supplier=DigiKey
R9: library part Res2, Manufacturer=Yageo, Manufacturer Part No.=RC0402JR-0711KL, Supplier part number=311-11KJRCT-ND, Link=https://www.digikey.com/product-detail/en/yageo/RC0402JR-0711KL/311-11KJRCT-ND/729367, Part Description="Thick Film Resistor", Specification="5% 0,063W", Supplier=DigiKey
R10: library part Res2, Manufacturer=Yageo, Manufacturer Part No.=RC0100JR-0710KL, Supplier part number=311-10KDHCT-ND, Link=https://www.digikey.com/product-detail/en/yageo/RC0100JR-0710KL/311-10KDHCT-ND/2254412, Part Description="Thick Film Resistor", Specification="5% 0.03W", Supplier=DigiKey
R13: library part Res2, Manufacturer=Yageo, Manufacturer Part No.=RC0402JR-07110KL, Supplier part number=311-110KJRCT-ND, Link=https://www.digikey.com/product-detail/en/yageo/RC0402JR-07110KL/311-110KJRCT-ND/729366, Part Description="Thick Film Resistor", Specification="5% 0,063W", Supplier=DigiKey
R17: library part Res2, Manufacturer=Yageo, Manufacturer Part No.=RC0402FR-071ML, Supplier part number=311-1.00MLRCT-ND, Link=https://www.digikey.com/product-detail/en/yageo/RC0402FR-071ML/311-1-00MLRCT-ND/729462, Part Description="Thick Film Resistor", Specification="1% 0,063W", Supplier=DigiKey
R23: library part Res2, Manufacturer=Yageo, Manufacturer Part No.=RC0402FR-0724K9L, Supplier part number=311-24.9KLRCT-ND, Link=https://www.digikey.com/product-detail/en/yageo/RC0402FR-0724K9L/311-24-9KLRCT-ND/729514, Part Description="Thick Film Resistor", Specification="1% 0,063W", Supplier=DigiKey
R24: library part Res2, Manufacturer=Yageo, Manufacturer Part No.=RC0402JR-0712KL, Supplier part number=311-12KJRCT-ND, Link=https://www.digikey.com/product-detail/en/yageo/RC0402JR-0712KL/311-12KJRCT-ND/729370, Part Description="Thick Film Resistor", Specification="5% 0,063W", Supplier=DigiKey
R25 R26: library part Res2, Manufacturer=Yageo, Manufacturer Part No.=SR0402JR-7W100RL, Supplier part number=YAG6156CT-ND, Link=https://www.digikey.com/product-detail/en/yageo/SR0402JR-7W100RL/YAG6156CT-ND/9696610, Part Description="Thick Film Resistor", Specification="5% 0.125W", Supplier=DigiKey
R27: library part Res2, Manufacturer=Yageo, Manufacturer Part No.=RC0402JR-076K8L, Supplier part number=311-6.8KJRCT-ND, Link=https://www.digikey.com/product-detail/en/yageo/RC0402JR-076K8L/311-6-8KJRCT-ND/729444, Part Description="Thick Film Resistor", Specification="5% 0,063W", Supplier=DigiKey
R28: library part Res2, Manufacturer="Panasonic Electronic Components", Manufacturer Part No.=ERJ-8RQFR62V, Supplier part number=P.62RCT-ND, Link=https://www.digikey.com/product-detail/en/panasonic-electronic-components/ERJ-8RQFR62V/P-62RCT-ND/3982353, Part Description="Thick Film Resistor", Specification="1% 0.25W", Supplier=DigiKey
R29 R30 R31 R32: library part Res2, Manufacturer=Yageo, Manufacturer Part No.=RC1206JR-070RL, Supplier part number=311-0.0ERDKR-ND, Link=https://www.digikey.com/product-detail/en/yageo/RC1206JR-070RL/311-0-0ERDKR-ND/735078, Part Description="Thick Film Resistor", Specification=0.25W, Supplier=DigiKey
S1 S2: library part SW-PB, "Switch", Manufacturer=Panasonic, Manufacturer Part No.=EVQPUJ02K, Supplier part number=P10851SCT-ND, Link=https://www.digikey.com/product-detail/en/panasonic-electronic-components/EVQ-PUJ02K/P10851SCT-ND/286352, Part Description="Tactile Button", Specification="1.6N, Right Angle, 50mA", Supplier=DigiKey
TP1 TP2 TP3 TP5 TP6 TP7: "Test Point"
TP4: library part 5019, "SMD Test Point", Manufacturer="Keystone Electronics", Supplier part number=36-5019CT-ND, Link=https://www.digikey.com/product-detail/en/keystone-electronics/5019/36-5019CT-ND/3907344, Manufacturer Part No.=5019, Part Description="SMT Test Point", Specification=3.81*2.03, Supplier=DigiKey
U1 U2: library part NCS21xR, "Current-Shunt Monitor", Manufacturer="ON Semiconductor", Supplier part number=NCS213RSQT2GOSCT-ND, Link=https://www.digikey.com/product-detail/en/on-semiconductor/NCS213RSQT2G/NCS213RSQT2GOSCT-ND/9169239, Manufacturer Part No.=NCS213RSQT2G, Part Description="Current-Shunt Monitor", Specification="x50, 80uA, 26V", Supplier=DigiKey
U3: library part LM74610-Q1, "Smart Diode Controller", Manufacturer=TI, Supplier part number=296-43067-1-ND, Link=https://www.digikey.com/product-detail/en/texas-instruments/LM74610QDGKRQ1/296-43067-1-ND/5722225, Manufacturer Part No.=LM74610QDGKRQ1, Part Description="Smart Diode Controller", Specification="42V, 30uA", Supplier=DigiKey
U4: "Maximum Power Point Charger", Manufacturer=TI, Manufacturer Part No.=BQ24650RVAR, Supplier part number=296-46287-1-ND, Link=https://www.digikey.com/product-detail/en/texas-instruments/BQ24650RVAR/296-46287-1-ND/7033462, Part Description="Battery Charge Controller", Specification="28V, MPPT", Supplier=DigiKey
U5 U10: "Ultra large bandwidth ESD protection", Manufacturer=STMicroelectronics, Supplier part number=497-7044-1-ND, Link=https://www.digikey.com/product-detail/en/stmicroelectronics/USBULC6-2M6/497-7044-1-ND/1880382, Manufacturer Part No.=USBULC6-2M6, Part Description="Ultra large bandwidth ESD protection", Specification="6V, 0.6pF", Supplier=DigiKey
U6: "Ultra-low-power 32-bit MCU Arm®-based Cortex®-M0+", Manufacturer=STMicroelectronics, Supplier part number=497-19668-ND, Link=https://www.digikey.com/products/en?keywords=STM32L072KZT6, Manufacturer Part No.=STM32L072KZT6, Part Description="Ultra-low-power 32-bit MCU Arm®-based Cortex®-M0+", Specification="192KB, 20KB, 1.65V-3.6V", Supplier=DigiKey
U7: "HBLED Driver", Manufacturer=TI, Manufacturer Part No.=TPS61165DRVT, Supplier part number=296-27015-1-ND, Link=https://www.digikey.com/product-detail/en/texas-instruments/TPS61165DRVT/296-27015-1-ND/2255302, Part Description="Boost LED DRiver", Specification="18V in, 38V, 350mA", Supplier=DigiKey
U8: "SYNCHRONOUS BUCK WITH ENHANCED EMI REDUCTION", Manufacturer="Diodes Incorporated", Supplier part number=AP63205WU-7DICT-ND, Link=https://www.digikey.com/product-detail/en/diodes-incorporated/AP63205WU-7/AP63205WU-7DICT-ND/9858428, Manufacturer Part No.=AP63205WU-7, Part Description="Buck Switching Regulator", Specification="32V in, 5V, 2A", Supplier=DigiKey
U9: "Ultra low quiescent current linear voltage regulator", Manufacturer=STMicroelectronics, Supplier part number=497-15934-1-ND, Link=https://www.digikey.com/product-detail/en/stmicroelectronics/STLQ015M33R/497-15934-1-ND/5398723, Manufacturer Part No.=STLQ015M33R, Part Description="Linear Voltage Regulator", Specification="5.5V in, 3.3V, 150mA", Supplier=DigiKey

## Free pads (board coordinates)
  round 0 hole 3.2 unplated: ""(29.1,29.65) ""(29.1,97.65) ""(114.1,97.65) ""(114.1,29.65)
  round 1 smd paste-1 mask+0.4: ""(32.88,31.73) ""(110.82,96.15)

## Via types
v1: diameter 0.508, hole 0.254, Top Layer to Bottom Layer, tented both sides, 566 vias

## Nets (pads, with @x,y where several pads share a name; then routed paths per layer and width w, separated by ;. In a path a pad name is that pad's centre, name@x,y a point inside that pad or via, vN(x,y) a via of type N, cw(c..) or ccw(c..) an arc to the next point about the centre after c; other vN are vias at no path point)
5V_USB: D4.1 J1.1 U5.5 | length 56.9
  Top Layer w0.3: v1(60.45,53.25) U5.5@60.45,54.05
  Top Layer w0.7: 54.313,38.8 54.313,34.487 56.81,31.99 84.39,31.99 84.67,31.71 J1.1@84.67,30.36
  Top Layer w1: D4.1@54.9,38.65 54.925,38.675 D4.1@55.15,38.675
  Bottom Layer w0.7: v1(55.7,37.6) 58.95,40.85 58.95,53.15 59.381,53.581 60.119,53.581 v1(60.45,53.25)
+3.3V: C2.1 C3.1 C23.2 C26.2 C27.1 C28.1 D5.1 LED1.4 P8.1 R12.1 R14.1 R31.1 R32.2 S2.1 S2.3 TP5.0 U1.3 U2.3 U6.1 U6.5 U6.17 U10.5 | length 204.2
  Top Layer w0.3: U10.5@62.45,54.25 U10.5@62.45,54.025 62.45,51.5 62.5,51.45 ; C2.1@93.85,74.35 93.96,74.24 U2.3@95,74.24 ; C3.1@93.9,71.75 94.05,71.6 U1.3@95.01,71.6
  Top Layer w0.5: 54.15,51.45 54.198,51.498 54.198,52.298 v1(54.2,52.3) ; v1(54.2,56.9) C28.1@55.1,56.9 55.15,56.95 56.85,56.95 U6.17@56.85,57.275 56.85,58.3 59.25,60.7 59.25,64.75 ; C27.1@59.95,69.9 59.925,69.875 59.925,68.375 59.85,68.3 59.85,67.3 59.25,66.7 U6.5@59.25,66.025 59.25,64.75 ; C23.2@64.225,66.375 62.52,66.375 62.45,66.305 U6.1@62.45,66.025 62.45,65.1 62.1,64.75 59.25,64.75 ; v1@92.87,71.7 92.87,73.82 93.35,74.3 93.8,74.3 C2.1@93.85,74.35 ; 93.3,71.75 C3.1@93.9,71.75 ; LED1.4@97.75,99.6 97.798,99.552 99.048,99.552 v1(99.05,99.55) ; R12.1@102.95,46.425 R14.1@104,46.425 v1(104,45.6)
  Top Layer w1: D5.1@44.9,40.35 44.35,40.9 44.35,42.65 42.886,44.114 42.886,49.386 44.95,51.45 54.15,51.45 62.5,51.45 63.71,51.45 64.93,52.67 64.93,55.83 80.8,71.7 v1@92.87,71.7 ; P8.1@100.55,28.1 101.65,29.2 S2.3@103.375,29.2 v1(104.8,29.2) S2.1@108.625,29.2
  Mid-Layer 1 w0.5: v1(54.2,52.3) v1(54.2,56.9) ; v1(93.05,71.7) 99.35,65.4 103.24,65.4 104.8,63.84 104.8,45.65 ; v1(104,45.6) v1(104,45.6) 104.752,45.602 104.8,45.65 ; v1(104.8,29.2) 104.8,45.65
  Bottom Layer w0.5: v1(93.05,71.7) 93.05,77.801 93.32,78.071 93.32,84.17 92.1,85.39 92.1,95.72 95.93,99.55 v1(99.05,99.55)
+3.3V_AUX: P2.2 P2.4 R32.1 | length 7.1
  Top Layer w0.4: P2.2@45.38,36.03 46.81,37.46 50.43,37.46 50.46,37.43 P2.4@50.46,36.03
+5V: C36.2 D4.2 R29.1 R30.2 TP3.0 U9.1 U9.3 | length 3.7
  Top Layer w0.5: U9.1@50.075,44.55 50.025,44.6 49.35,44.6 48.936,45.014 48.936,46.107 49.229,46.4 50.025,46.4 U9.3@50.075,46.45
+5V_AUX: P2.5 R30.1
ADC1: R15.1 TP7.0 U2.6 | length 42.7
  Top Layer w0.3: v1(88.71,76) TP7.0@88.71,76.95 ; v1(95.95,75.56) U2.6@96.84,75.56
  Top Layer w0.5: R15.1@58.8,68.875 v1(58.8,69.7)
  Mid-Layer 1 w0.3: v1(58.8,69.7) 64.66,75.56 88.71,75.56 ; v1(88.71,76) 88.71,75.56 ; v1(95.95,75.56) 88.71,75.56
ADC2: R16.1 TP6.0 U1.6 | length 47.1
  Top Layer w0.3: TP6.0@88.71,73.68 v1(88.71,74.65) ; v1(95.95,72.92) U1.6@96.85,72.92
  Top Layer w0.5: R16.1@55.875,68.875 v1(55.875,69.75)
  Mid-Layer 1 w0.3: v1(55.875,69.75) 56.625,69 58.9,69 65.033,75.133 88.72,75.133 ; v1(88.71,74.65) 88.72,74.66 88.72,75.133 ; v1(95.95,72.92) 93.737,75.133 88.72,75.133
ADC_CH4: C1.1 R1.2 U6.10 | length 2.5
  Top Layer w0.5: R1.2@52.9,63.85 C1.1@53.9,63.85 54.1,63.65 U6.10@55.275,63.65
BAT_SENS: C21.1 R22.2 U6.9 | length 4.2
  Top Layer w0.5: C21.1@53.925,66.95 53.912,66.937 53.912,65.962 R22.2@53.9,65.95 54.975,65.95 55.6,65.325 55.6,64.45 U6.9@55.275,64.45
CHR_CTRL: Q3.1 R10.2 U6.26 | length 48.2
  Top Layer w0.3: U6.26@64.025,59.65 v1(65.1,59.65)
  Top Layer w0.4: R10.2@99.9,45.275 Q3.1@99.9,46.35
  Top Layer w0.5: R10.2@99.9,45.275 R10.2@99.925,45.25 v1(99.925,44.5)
  Mid-Layer 1 w0.3: v1(65.1,59.65) 72.6,59.65 78.9,53.35 98.25,53.35 99.208,52.392 99.208,48.642 99.925,47.925 v1(99.925,44.5)